# KiCad board MTMatrixV3.kicad_pcb (continued)
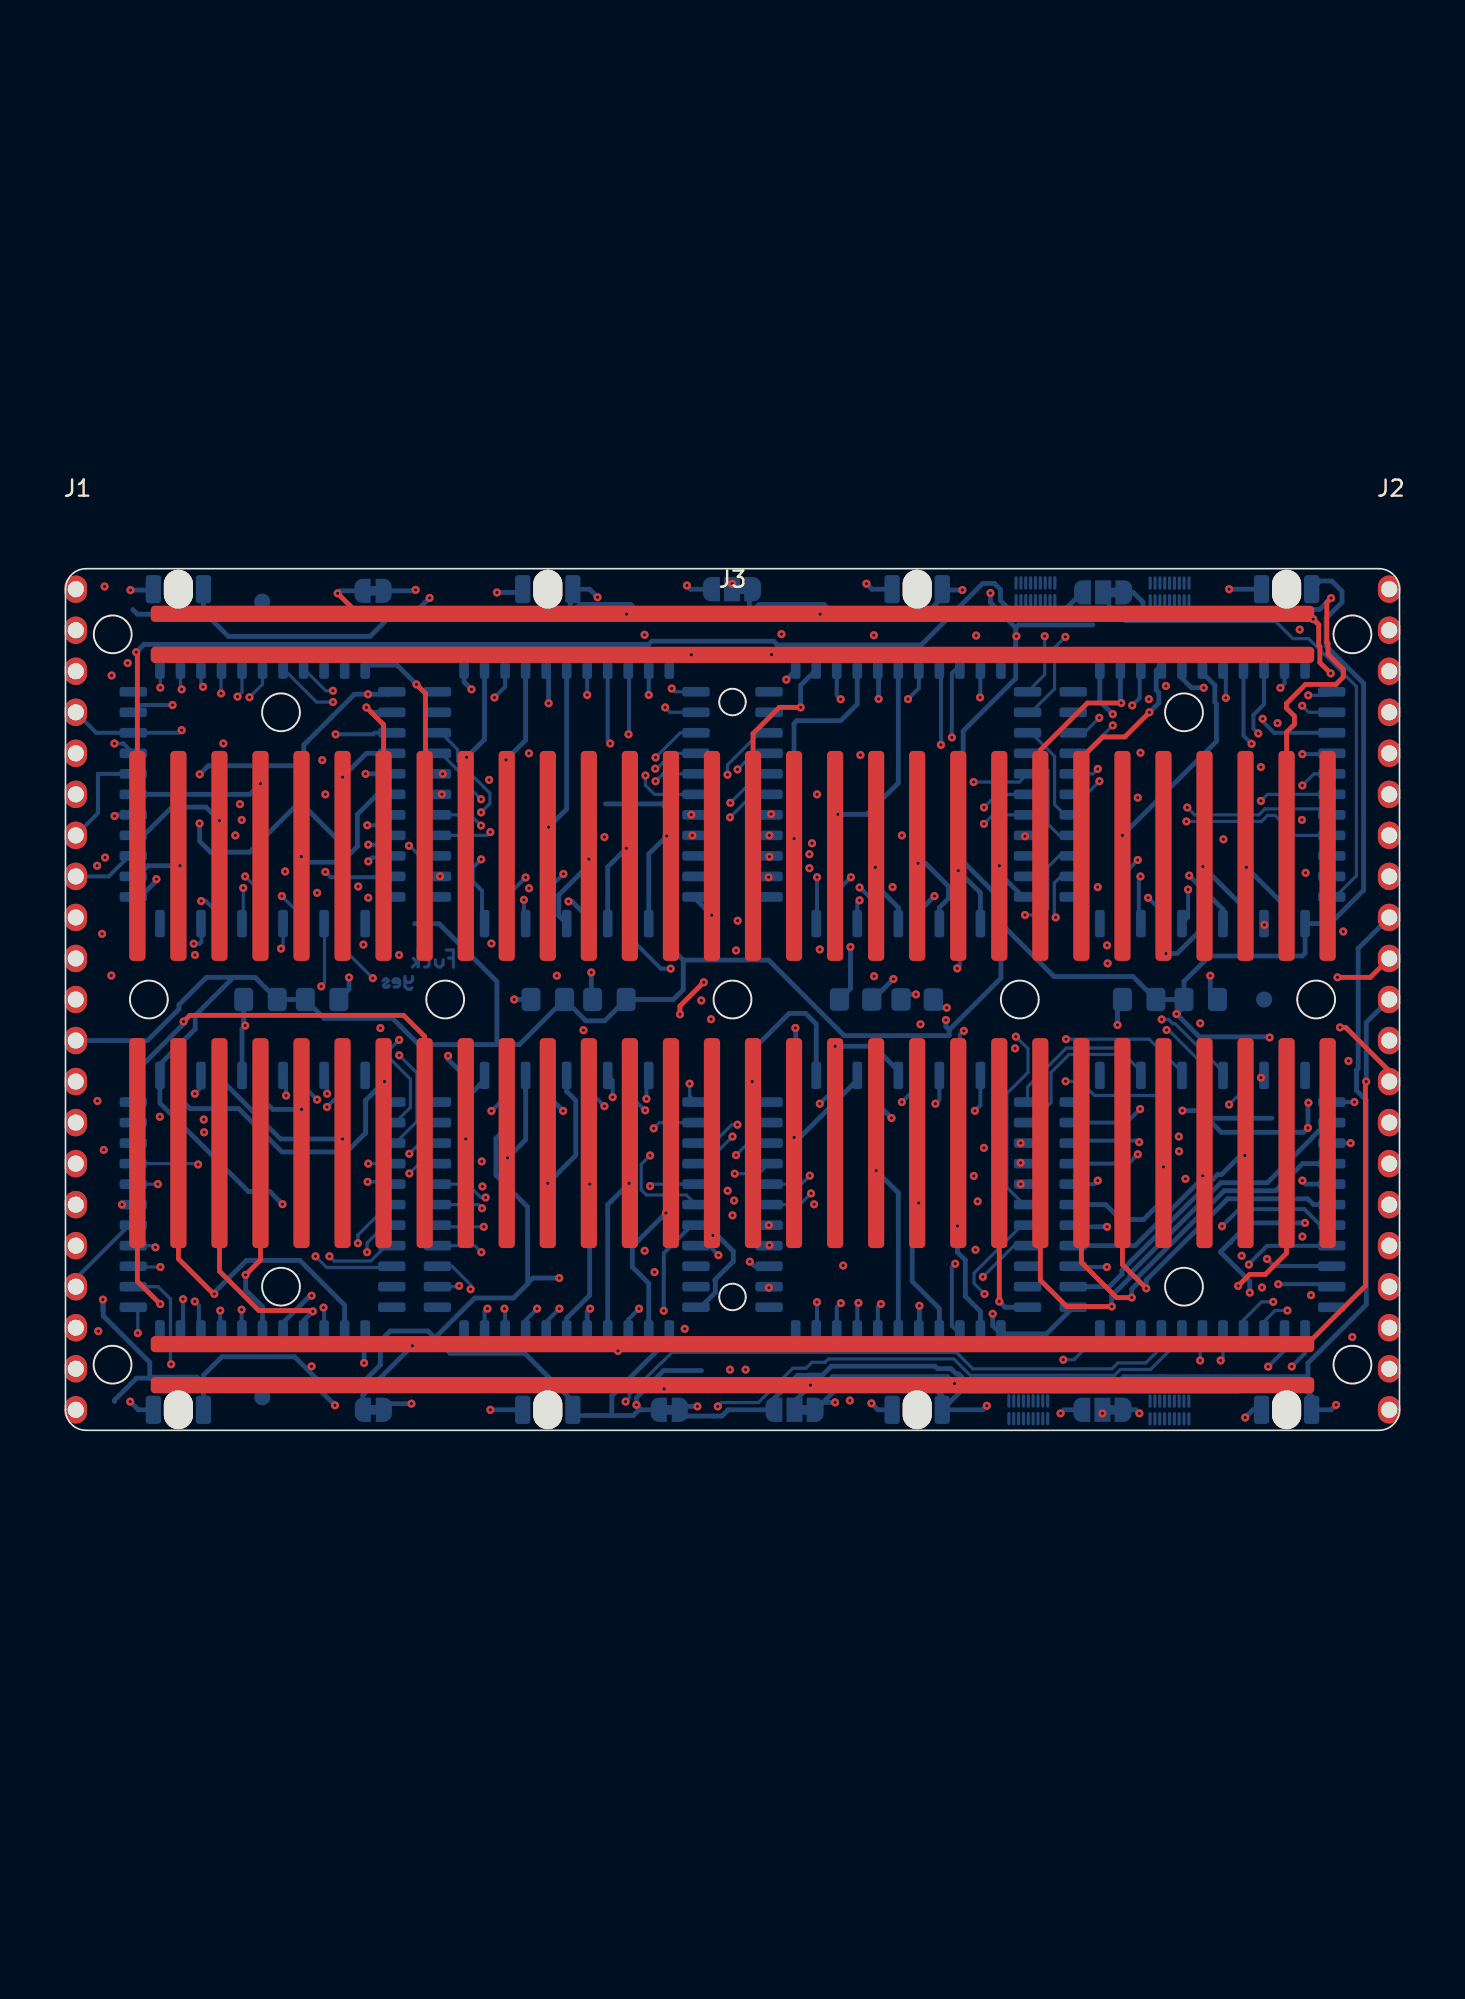
[diagram p0: board, top side]
## Routing (per net, layer and track width the routed paths; a pad name or vN(x,y) marks a point on that pad's centre or on a via; arc(x,y) is an arc through that point) (continued)
AY0: length 215.8
  In1.Cu w0.25: 48.49,41.91 49.09,41.91 v1(49.19,41.81) ; 48.49,41.91 48.53,41.87 53.93,41.87 53.94,41.86 54.41,41.86 54.42,41.87 66.45,41.87 v1(66.52,41.95) ; 48.49,41.91 48.36,42.04 39.5,42.04 39.31,42.23 36.28,42.23 35.96,41.91 v1(28.68,41.91) 27.7,40.93 24.73,40.93 24.3,41.36 1.19,41.36 J1.5 ; v1(18.74,35.22) 21.44,35.22 22.96,33.71 23.56,33.71 24.08,34.22 v1(28.47,34.22)
  In2.Cu w0.25: v1(15.89,41.49) 15.5,41.1 15.5,34.28 16.4,33.38 16.4,21.05 v1(16.19,20.84) ; v1(66.52,41.95) 66.91,41.56 66.91,39.4 66.93,39.38 66.93,34.7 v1(66.52,34.29) 66.22,33.99 66.22,20.87 66.63,20.46 66.74,20.46 67.08,20.12 67.08,19.59 67.08,19.59 67.08,19.58 67.07,19.57 67.07,19.55 67.03,19.51 67.03,19.46 67.02,19.45 67.02,18.41 v1(66.44,17.84) ; v1(49.19,41.81) 49.19,34.93 48.57,34.31 48.57,34.31 ; v1(47.98,7.87) 48.7,8.59 48.7,28.6 49.6,29.5 49.6,30.4 48.57,31.43 48.57,34.31 ; v1(28.68,41.91) 28.68,34.77 27.2,33.3 27.2,26.87 27.19,26.86 27.19,17.51 26.78,17.1 26.78,16.37 27.14,16.02 27.14,7.55 v1(27.16,7.53) ; 48.57,34.31 48.57,34.28 v1(48.6,34.24)
  Bottom w0.25: v1(27.16,7.53) 27.2,7.49 F.26 ; D.26 66.42,31.5 66.42,34.19 v1(66.52,34.29) ; v1(18.74,35.22) 18.97,35.46 20.09,35.46 A.26 ; E.26 16.19,21.78 v1(16.19,20.84) ; B.26 27.2,32.95 v1(28.47,34.22) ; v1(48.6,34.24) 47.73,33.36 C.26 ; v1(47.98,7.87) 47.73,7.62 G.26 ; v1(66.44,17.84) 66.35,17.93 62.51,17.93 H.26
AY1: length 201
  In1.Cu w0.25: 26.33,39.68 26.22,39.8 v1(26.22,40.27) ; 26.33,39.68 26.07,39.94 17.47,39.94 16.89,39.37 v1(16.08,39.37) J1.6 ; 26.33,39.68 26.41,39.6 38.22,39.6 38.29,39.67 39.25,39.67 39.32,39.6 46.27,39.6 v1(46.51,39.37) 46.72,39.16 66.35,39.16 v1(66.35,39.17)
  In2.Cu w0.25: v1(26.11,7.53) 26.57,7.99 26.57,15.95 26.33,16.19 26.33,17.14 25.89,17.58 25.89,19.42 25.78,19.53 25.78,25.42 25.98,25.62 25.98,27.72 25.21,28.49 25.21,34.83 v1(25.72,35.35) 25.72,35.55 26.86,36.69 26.86,39.62 v1(26.22,40.27) ; v1(66.5,19.89) 66.5,19.91 65.67,20.74 65.67,34.63 v1(66.35,35.31) v1(66.35,39.17) ; v1(46.5,7.93) 46.5,9.25 47.14,9.88 47.14,18.92 46.1,19.96 46.1,23.63 46.54,24.07 46.54,29.1 46.1,29.53 46.1,32.98 46.51,33.39 v1(46.51,34.24) 46.77,34.5 46.77,36.53 46.72,36.58 46.72,39.16 v1(46.51,39.37) ; v1(16.18,20.02) 16.97,20.8 16.97,28.27 17.04,28.35 17.04,33.61 v1(16.08,34.57) v1(16.08,39.37)
  Bottom w0.25: v1(26.11,7.53) 25.93,7.35 F.27 ; H.27 65.66,19.05 v1(66.5,19.89) ; G.27 46.5,6.02 v1(46.5,7.93) ; B.27 25.78,31.53 25.78,33.4 25.21,33.97 25.21,34.83 v1(25.72,35.35) ; A.27 20.14,34.24 16.41,34.24 v1(16.08,34.57) ; v1(66.35,35.31) 65.28,34.23 65.28,31.37 ; v1(16.18,20.02) 17.27,21.11 E.27 ; C.27 46.51,31.42 v1(46.51,34.24)
AY2: length 215.5
  In1.Cu w0.25: 53.77,36.83 v1(51.76,36.83) ; 53.77,36.83 53.18,37.42 41.36,37.42 41.3,37.36 39.06,37.36 39.02,37.4 34.03,37.4 33.45,36.83 ; 53.77,36.83 58.61,36.83 59.19,37.4 68.84,37.4 69.66,36.59 v1(71.65,36.59) ; J1.7 25.53,36.83 26,36.36 29.35,36.36 29.61,36.1 30.08,36.1 30.81,36.83 33.45,36.83 ; 33.45,36.83 v1(33.35,36.73)
  In2.Cu w0.25: v1(10.9,7.47) 10.55,7.82 10.55,26.87 10.55,28.13 10.14,28.54 10.14,36.47 v1(10.51,36.83) ; v1(32.28,45.52) 32.28,37.8 v1(33.35,36.73) 33.28,36.66 33.28,20.13 v1(33.35,20.07) ; v1(52.14,45.27) 51.76,44.89 v1(51.76,36.83) 51.76,28.43 52.01,28.18 52.01,27.65 51.72,27.37 51.72,20.35 v1(51.76,20.32) ; v1(71.57,12.63) 71.43,12.77 71.43,22.84 71.29,22.98 71.29,25.65 71.33,25.69 71.33,25.84 71.58,26.09 71.58,36.51 v1(71.65,36.59) 71.65,42.44 71.8,42.59 v1(71.8,45.34)
  Bottom w0.25: A.2 2.01,40.64 2.01,38.2 J1.7 ; v1(71.57,12.63) 72.63,13.69 76.67,13.69 77.66,12.7 H.2 ; D.2 71.8,47.2 v1(71.8,45.34) ; C.2 52.81,45.94 v1(52.14,45.27) ; v1(33.35,20.07) 32.28,21.13 F.2 ; G.2 52.81,21.37 v1(51.76,20.32) ; v1(10.9,7.47) 10.9,6 E.2 ; B.2 v1(32.28,45.52)
BI: length 54.5
  In1.Cu w0.25: v1(25.8,15.1) 24.86,14.16 16.51,14.16 15.97,14.69 13.31,14.69 13.17,14.56 2.59,14.56 J1.15
  In2.Cu w0.25: v1(23.34,40.64) 22.25,39.55 22.25,35.79 22.15,35.69 22.15,18.74 v1(25.8,15.1)
  Bottom w0.25: B.35 v1(23.34,40.64)
BJ: length 82.5
  In1.Cu w0.25: v1(25.76,16.65) 26.51,16.65 27.22,15.94 27.7,15.94 28.13,16.37 36.36,16.37 36.45,16.46 49.59,16.46 49.78,16.65 56.28,16.65 56.94,15.99 59.34,15.99 59.83,16.47 67.3,16.47 67.71,16.88 68.18,16.88 68.67,16.39 81.8,16.39 J2.15
  In2.Cu w0.25: v1(23.29,39.37) 23.29,35.58 22.6,34.89 22.6,30.46 25.48,27.58 25.48,25.91 25.17,25.6 25.17,19.51 25.44,19.24 25.44,16.96 v1(25.76,16.65)
  Bottom w0.25: B.34 v1(23.29,39.37)
Bottom_LEDs: length 31.4
  In1.Cu w0.3: v1(54.53,26.16) 55.8,26.16 58.4,28.76 61.44,28.76 63.37,26.83 68.26,26.83 68.3,26.87 74.1,26.87 76.84,24.13 J2.12
  Bottom w0.3: R2.1 54.21,26.16 v1(54.53,26.16)
CI: length 67.8
  In1.Cu w0.25: J1.16 1.46,13.14 25.61,13.14 25.64,13.17 25.86,13.17 25.86,13.18 36.02,13.18 36.47,12.74 39.34,12.74 39.91,13.31 v1(41.27,13.31)
  In2.Cu w0.25: v1(41.27,13.31) 43.09,15.12 43.09,26.33 43.26,26.5 43.26,27.58 42.78,28.05 42.78,37.27 v1(43.66,38.15)
  Bottom w0.25: C.33 43.59,38.15 v1(43.66,38.15)
CJ: length 60.8
  In1.Cu w0.25: J2.16 59.41,13.97 58.5,14.88 47.22,14.88 v1(46.33,13.99)
  In2.Cu w0.25: v1(46.33,13.99) 46,13.99 44.41,15.58 44.41,18.68 44.59,18.86 44.59,28.57 44.34,28.82 44.34,33.69 44.48,33.84 44.48,35.91 v1(43.56,36.83)
  Bottom w0.25: C.32 v1(43.56,36.83)
CS_A: length 96.4
  In1.Cu w0.3: v1(3.85,47.5) 14.7,47.5 14.79,47.41 39.19,47.41 39.53,47.75 42.91,47.75 43.24,47.42 43.94,47.42 44.2,47.68 75.52,47.68 79.45,51.61 81.45,51.61 J2.1
  In2.Cu w0.3: v1(3.85,47.5) 3.85,38.04 5.62,36.26 v1(5.62,34.12)
  Bottom w0.3: v1(5.62,34.12) 5.62,34.02 4.62,33.02 A.40
CS_B: length 61.5
  In1.Cu w0.3: J2.2 81.92,48.85 79.33,46.26 78.05,46.26 77.13,47.18 44.41,47.18 44.1,46.87 43.08,46.87 42.71,47.25 39.83,47.25 39.45,46.86 26.11,46.86 v1(25.12,45.87)
  Bottom w0.3: B.40 24.66,46.33 v1(25.12,45.87)
CS_C: length 39.4
  In1.Cu w0.3: J2.3 80.69,45.76 77.84,45.76 76.92,46.68 44.81,46.68 v1(44.6,46.47)
  Bottom w0.3: C.40 45.19,47.05 v1(44.6,46.47)
CS_D: length 22.7
  In1.Cu w0.3: v1(64.81,44.34) 64.91,44.23 66.45,44.23 66.83,43.85 66.92,43.85 68.26,42.51 70.05,42.51 71.22,43.68 71.22,44.32 71.54,44.65 75.61,44.65 76.01,44.25 81.72,44.25 J2.4
  Bottom w0.3: v1(64.81,44.34) 64.01,45.13 D.40
CS_E: length 102.9
  In1.Cu w0.3: v1(79.63,5.78) 73.96,5.78 71.91,3.72 69.75,3.72 68.5,4.97 61.5,4.97 60.89,4.35 34.48,4.35 34.38,4.25 18.56,4.25 v1(18.48,4.17)
  In2.Cu w0.3: J2.5 79.92,39.91 79.92,24.24 78.79,23.11 78.79,22.62 79.16,22.25 79.16,19.99 80.15,19.01 80.15,6.29 v1(79.63,5.78)
  Bottom w0.3: v1(18.48,4.17) 18.48,5.9 E.40
CS_F: length 75.1
  In1.Cu w0.3: v1(23.67,23.18) 24.1,22.76 79.29,22.76 v1(79.39,22.87)
  In2.Cu w0.3: v1(79.39,22.87) 80.42,23.89 80.42,37.87 J2.6
  Bottom w0.3: v1(23.67,23.18) 23.67,22.96 F.40
CS_G: length 52
  In1.Cu w0.3: v1(46.19,36.34) 46.2,36.34 47.12,35.43 48.41,35.43 48.88,35.91 80.99,35.91 J2.7
  In2.Cu w0.3: v1(46.19,36.34) 45.87,36.34 44.96,35.43 44.96,33.64 44.82,33.5 44.82,29.02 45.16,28.67 v1(45.16,24.91)
  Bottom w0.3: v1(45.16,24.91) 45.19,24.88 G.40
CS_H: length 16.3
  In2.Cu w0.25: J2.8 80.89,33.27 80.89,22.8 79.76,21.67 v1(79.76,20.32)
  Bottom w0.25: H.40 v1(79.76,20.32)
DATA: length 215.3
  In1.Cu w0.25: v1(18.43,30.07) 18.06,30.44 18.06,30.94 ; 64.64,30.94 64.64,30.21 v1(64.46,30.02) ; 64.64,30.94 43.87,30.94 ; 64.64,30.94 65.62,31.92 78.03,31.92 v1(79.07,30.88) ; v1(26.36,30.14) 26.54,30.32 26.54,30.94 ; 43.87,30.94 45.51,30.94 v1(46.68,29.77) ; 43.87,30.94 43.84,30.92 26.56,30.92 26.54,30.94 ; 26.54,30.94 18.06,30.94 ; J1.8 3.99,30.94 18.06,30.94
  In2.Cu w0.25: v1(15.97,7.6) 17.52,9.15 17.52,11.86 18.09,12.43 18.09,16.68 18.43,17.02 v1(18.43,30.07) ; v1(66.01,44.88) 66.01,43.94 64.56,42.48 64.56,30.12 v1(64.46,30.02) ; v1(79.53,17.78) 78.69,18.62 78.69,22.05 78.32,22.42 78.32,23.58 79.44,24.7 79.44,30.51 v1(79.07,30.88) ; v1(26.54,45.36) 27.83,44.08 27.83,37.02 26.74,35.93 26.74,30.52 v1(26.36,30.14) 26.43,30.07 26.43,19.84 v1(26.36,19.77) ; v1(46.68,20.22) 46.99,20.53 46.99,29.46 v1(46.68,29.77) 47.54,28.91 48.37,28.91 49.15,29.68 49.15,30.21 47.85,31.51 47.85,35.54 48.55,36.24 48.55,44.68 v1(47.97,45.26)
  Bottom w0.25: F.42 27.2,20.62 v1(26.36,19.77) ; D.42 66.47,47.29 66.47,45.33 v1(66.01,44.88) ; C.42 47.73,45.5 v1(47.97,45.26) ; G.42 47.73,21.27 v1(46.68,20.22) ; v1(79.53,17.78) H.42 ; B.42 27.2,46.02 v1(26.54,45.36) ; J1.8 2.67,34.29 3.94,35.56 A.42 ; v1(15.97,7.6) 16,7.56 E.42
DI: length 113.1
  In1.Cu w0.25: v1(72.79,10.8) 71.59,12 56.85,12 56.8,12.06 56.33,12.06 56.31,12.03 43.26,12.03 42.72,11.49 36.51,11.49 35.94,12.06 26.49,12.06 26.45,12.02 25.64,12.02 25.49,12.17 1.38,12.17 J1.17
  In2.Cu w0.25: v1(74.08,44.05) 73.91,44.05 72.23,42.37 72.23,35.45 72.03,35.25 72.03,25.9 71.78,25.66 71.78,25.51 71.74,25.47 71.74,24.74 71.74,23.17 72.03,22.88 72.03,21.78 72.55,21.25 72.55,21.24 72.59,21.21 72.59,17.43 72.41,17.25 72.41,11.18 v1(72.79,10.8)
  Bottom w0.25: v1(74.08,44.05) 74.08,43.89 74.79,43.18 D.9
DJ: length 39.6
  In1.Cu w0.25: v1(76.54,11.99) 77.1,11.43 J2.17
  In2.Cu w0.25: v1(76.54,11.99) 75.62,12.91 75.62,22.42 74.3,23.74 74.28,23.74 73.94,24.08 73.94,24.56 74.23,24.84 74.23,29.23 75.71,30.71 75.71,34.23 75.54,34.4 75.54,40.86 v1(76.54,41.86)
  Bottom w0.25: D.10 78.31,41.86 v1(76.54,41.86)
EI: length 5.4
  Bottom w0.25: J1.18 0.63,9.39 3.94,12.7 E.11
EJ: length 91.2
  In1.Cu w0.25: J2.18 79.86,6.84 70.51,6.84 70.36,6.69 60.79,6.69 60.17,6.08 39.16,6.08 38.89,6.35 38.89,6.52 38.56,6.86 37.5,6.86 37.15,6.51 22.13,6.51 22.03,6.61 20.89,6.61 20.62,6.33 4.97,6.33 4.71,6.59 2.49,6.59 v1(2.03,6.14)
  In2.Cu w0.25: v1(3.5,13.97) 3.5,7.6 v1(2.03,6.14)
  Bottom w0.25: v1(3.5,13.97) E.12
FI: length 43.4
  In1.Cu w0.25: v1(37.02,7.4) 36.57,6.96 25.54,6.96 25.44,7.06 20.71,7.06 20.44,6.78 5.16,6.78 4.9,7.04 1.33,7.04 J1.19
  Bottom w0.25: F.13 38.76,12.7 37.02,10.96 37.02,9.66 37.02,9.66 v1(37.02,7.4)
FJ: length 51.2
  In1.Cu w0.25: J2.19 71.42,6.35 71.31,6.24 60.97,6.24 60.36,5.63 38.97,5.63 v1(38.32,6.28)
  In2.Cu w0.25: v1(38.32,6.28) 38.32,8.75 v1(40.4,10.84)
  Bottom w0.25: v1(40.4,10.84) 39.81,11.43 F.14
GI: length 52
  In1.Cu w0.25: J1.20 0.63,3.45 1.74,2.34 3.89,2.34 4.99,3.44 13.25,3.44 14.8,4.98 16.85,4.98 18.24,3.6 28.17,3.6 28.34,3.77 32.79,3.77 32.96,3.6 34.16,3.6 34.32,3.76 v1(41.12,3.76)
  In2.Cu w0.25: v1(41.12,3.76) 42.74,5.37 42.74,10.05 v1(42.34,10.44)
  Bottom w0.25: G.31 42.62,10.16 v1(42.34,10.44)
GJ: length 48.1
  In1.Cu w0.25: v1(42.09,3.76) 42.15,3.82 54.7,3.82 55.05,3.46 55.25,3.46 55.49,3.23 58.96,3.23 58.98,3.25 74.55,3.25 75.31,4.01 75.31,4.19 75.65,4.52 76.32,4.52 78.56,2.29 80.39,2.29 J2.20
  In2.Cu w0.25: v1(43.52,8.83) 43.65,8.7 43.65,5.32 v1(42.09,3.76)
  Bottom w0.25: G.30 43.54,8.84 v1(43.52,8.83)
HI: length 80.9
  In1.Cu w0.25: J1.21 0.7,1.2 4.24,1.2 6.03,2.99 13.44,2.99 14.99,4.53 16.66,4.53 18.05,3.15 28.91,3.15 29.07,3.31 31.11,3.31 31.27,3.15 34.32,3.15 34.33,3.16 45.25,3.16 45.46,3.37 46.34,3.37 46.86,2.85 54.01,2.85 54.56,2.3 58.66,2.3 59.17,2.8 74.73,2.8 v1(75.89,3.95)
  Bottom w0.25: H.7 76.71,4.77 v1(75.89,3.95)
HJ: length 11.3
  In2.Cu w0.25: v1(74.43,3.94) 75.08,3.94 78.03,1 81.64,1 J2.21
  Bottom w0.25: v1(74.43,3.94) 75.44,4.95 H.8
Neg_Bottom: length 29.5
  Top w0.3: v1(37.04,2.56) 37.28,2.79 J3.32 v1(46.1,2.79)
  In1.Cu w0.3: v1(46.1,2.79) 45.89,2.58 37.06,2.58 v1(37.04,2.56)
  Bottom w0.3: v1(55.02,2.89) 54.59,3.32 47.45,3.32 46.93,2.79 v1(46.1,2.79) 45.11,1.81 JP6.2
Neg_Top: length 16.1
  Top w0.3: v1(38.73,48.01) 38.73,48.01 J3.0 41.29,48.02 v1(43.7,48.02)
  In2.Cu w0.3: v1(43.7,48.02) 43.7,49.96 v1(41.26,52.4) 41.26,52.26 38.73,49.73 v1(38.73,48.01)
  Bottom w0.3: JP4.2 41.24,52.39 v1(41.26,52.4)
Pos_Bottom: length 104.2
  Top w0.3: v1(34.19,4.92) 34.6,5.33 J3.63 ; v1(80.49,21.59) 80.44,21.54 80.44,8.94 76.83,5.33 J3.63 ; v1(21.46,5.23) 41.17,5.23 J3.63
  In1.Cu w0.3: v1(21.46,5.23) 33.87,5.23 v1(34.19,4.92)
  Bottom w0.3: v1(21.46,5.23) 18.4,2.17 JP2.2 ; v1(80.49,21.59) 80.49,25.25 J2.11
Pos_Top: length 138.9
  Top w0.3: J3.31 41.25,50.52 18.14,50.52 v1(16.84,51.82) ; J3.31 41.26,50.53 v1(34.73,50.53) ; J3.31 46.67,50.55 v1(46.7,50.52) 76.91,50.52 77.55,49.88 ; v1(78.71,28.04) 80.75,28.04 J2.10 ; 77.55,49.88 77.55,48.57 77.62,48.5 77.62,47.53 v1(78.29,46.86) ; 77.55,49.88 v1(77.21,50.22)
  In1.Cu w0.3: v1(77.21,50.22) 77.16,50.17 62.87,50.17 62.87,50.18 62.52,50.52 34.73,50.52 v1(34.73,50.53)
  In2.Cu w0.3: v1(78.71,28.04) 78.36,28.4 78.36,46.8 v1(78.29,46.86)
  Bottom w0.3: JP1.2 16.99,51.97 v1(16.84,51.82)
RESET: length 224.8
  In1.Cu w0.25: v1(3.02,42.52) v1(9.77,42.52) 10.18,42.52 10.64,42.06 17.14,42.06 17.6,42.52 v1(33.71,42.52) 33.72,42.51 35.92,42.51 36.09,42.68 39.49,42.68 39.69,42.49 54.12,42.49 v1(54.18,42.43) 54.29,42.32 55.09,42.32 55.29,42.52 66.94,42.52 67.88,41.59 72.48,41.59 v1(73.4,42.5)
  In2.Cu w0.25: v1(73.23,10.26) 73.38,10.41 73.38,11.01 73.57,11.21 73.57,20.86 73,21.43 73,21.44 72.48,21.96 72.48,23.07 72.19,23.36 72.19,25.28 72.23,25.32 72.23,25.47 72.48,25.72 72.48,35.06 73.4,35.98 v1(73.4,42.5) ; v1(9.77,42.52) 10.1,42.19 10.1,37.51 9.69,37.1 9.69,28.35 10.1,27.95 10.1,26.74 10.1,7.94 v1(9.58,7.42) ; J1.9 3.02,34.14 3.02,37.23 2.46,37.79 2.46,38.27 3.02,38.83 v1(3.02,42.52) ; v1(33.71,42.52) 33.71,37.29 34.01,36.98 34.01,20.78 v1(33.86,20.62) ; v1(53.83,20.22) 53.91,20.29 53.91,28.77 54.4,29.26 54.4,34.05 54.18,34.27 v1(54.18,42.43)
  Bottom w0.25: 72.9,47.37 72.9,43 v1(73.4,42.5) ; v1(3.02,42.52) 3.58,42.52 A.3 ; E.3 9.58,6.05 v1(9.58,7.42) ; F.3 33.86,21.67 v1(33.86,20.62) ; C.3 54.18,47.27 54.18,42.44 v1(54.18,42.43) ; G.3 54.08,20.46 v1(53.83,20.22) ; H.3 78.35,11.42 74.35,11.42 73.23,10.3 v1(73.23,10.26) ; B.3 33.55,42.67 v1(33.71,42.52)
STROBE: length 175.3
  In1.Cu w0.25: 8.51,29.21 17.04,29.21 17.16,29.09 19.1,29.09 19.37,29.37 25.33,29.37 25.61,29.09 36.3,29.09 36.81,28.58 v1(37.45,28.58) 37.89,29.03 55.98,29.03 56.16,29.21 ; 8.51,29.21 J1.10 ; 8.51,29.21 8.23,29.21 v1(8.01,29.43) ; v1(74.19,31.29) 71.84,28.94 64.86,28.94 64.59,29.21 ; 56.16,29.21 57.18,30.23 62.1,30.23 62.91,29.42 64.38,29.42 64.59,29.21 ; 56.16,29.21 55.55,28.6 v1(55.18,28.6) ; v1(64.44,10.11) 64.08,10.47 56.37,10.47 56.2,10.31 v1(55.06,10.31) ; v1(64.49,28.91) 64.49,29.11 64.59,29.21
  In2.Cu w0.25: v1(16.72,43.09) 17.25,43.09 20.28,40.05 20.28,29.78 v1(20.64,29.42) ; v1(35.49,7.53) 36.65,8.69 36.7,8.69 37.07,9.06 37.07,9.06 38.39,10.37 38.39,13.59 37.55,14.43 37.55,21.04 37.45,21.14 37.45,28.58 v1(37.45,28.58) ; v1(64.44,10.11) 64.44,11.65 63.88,12.21 63.88,12.84 64.49,13.45 v1(64.49,28.91) ; v1(8.01,29.43) 8.01,28.2 8.8,27.41 8.8,21.64 v1(8,20.84)
  Bottom w0.25: G.20 54.85,6.47 54.85,10.1 v1(55.06,10.31) ; v1(35.49,7.53) 34.82,6.86 F.20 ; v1(74.19,31.29) 74.17,31.32 D.20 ; B.20 34.82,30.6 36.84,28.58 v1(37.45,28.58) ; v1(64.44,10.11) 62.41,10.11 H.20 ; v1(16.72,43.09) 19.03,43.09 19.13,43.18 A.20 ; E.20 8.38,21.22 v1(8,20.84) ; v1(55.18,28.6) 55.35,28.76 C.20
Top_LEDs: length 37.3
  Top w0.3: J2.13 81.92,22.25 79.22,24.94 v1(78.87,24.94)
  In1.Cu w0.3: v1(78.87,24.94) 76.73,24.94 74.31,27.37 68.09,27.37 68.08,27.36 63.6,27.36 61.7,29.26 58.19,29.26 56.06,27.13 54.64,27.13 53.82,27.94 v1(51.23,27.94)
  Bottom w0.3: v1(51.23,27.94) 49.96,26.67 R1.1
Net-(C1-Pad2): length 33.6
  In2.Cu w0.3: v1(21.67,52.03) 21.77,52.13 24.3,52.13 31.72,44.71 31.72,29.16 v1(32.54,28.35)
  Bottom w0.3: v1(21.67,52.03) 21.61,51.97 JP1.1 ; C1.2 32.54,26.75 v1(32.54,28.35)
Net-(C2-Pad2): length 33
  In2.Cu w0.3: v1(21.4,1.65) 23.87,4.11 27.56,4.11 28.07,4.62 28.07,26.37 v1(27.76,26.67)
  Bottom w0.3: JP2.1 20.08,1.65 v1(21.4,1.65) ; C2.2 v1(27.76,26.67)
Net-(D1-Pad2): length 109.3
  In2.Cu w0.3: v1(4.02,52.01) 5.89,50.14 7.49,50.14 9.98,52.63 24.51,52.63 26.62,50.52 26.98,50.52 ; 49.53,50.52 70.46,50.52 v1(72.01,52.07) ; 49.53,50.52 49.53,52.37 v1(49.56,52.41) ; 49.53,50.52 47.2,48.19 47.2,36.76 47.25,36.71 47.25,31.25 v1(48.57,29.92) ; 49.53,50.52 47.05,53 32.84,53 30.36,50.52 26.98,50.52 ; 26.98,50.52 26.98,51.59 v1(26.7,51.87)
  Bottom w0.3: D1.2 v1(72.01,52.07) ; D4.2 5.38,52.01 v1(4.02,52.01) ; v1(48.57,29.92) 48.57,27.35 R1.2 ; D3.2 28.09,51.87 v1(26.7,51.87) ; v1(49.56,52.41) 49.9,52.07 D2.2
Net-(D5-Pad2): length 110.8
  In1.Cu w0.3: v1(48.54,1.84) 49.7,1.84 v1(49.87,1.67)
  In2.Cu w0.3: v1(52.63,26.99) 52.25,26.61 52.25,24.38 52.7,23.93 52.7,19.91 52.2,19.41 52.2,5.56 48.54,1.9 v1(48.54,1.84) ; v1(73.01,0.79) 72.64,0.42 55.69,0.42 53.06,3.05 51.25,3.05 v1(49.87,1.67) 49.87,1.62 48.63,0.37 33.53,0.37 31.09,2.82 27.84,2.82 v1(26.29,1.27) 25.45,0.43 9.89,0.43 7.5,2.82 5.05,2.82 v1(4,1.78)
  Bottom w0.3: v1(26.29,1.27) D7.2 ; v1(4,1.78) 4.51,1.27 D8.2 ; D5.2 73.48,1.27 v1(73.01,0.79) ; v1(49.87,1.67) 50.27,1.27 D6.2 ; R2.2 52.02,26.99 v1(52.63,26.99)

## Copper pours and planes (outline as drawn; the poured copper is in the pictures)
GND on Bottom, In1.Cu, In2.Cu: 84.52,55.4 84.3,-3.4 -1.95,-2.69 -1.64,55.4 -2.23,55.61

## Text on the board
B.Silkscreen: < | > | Unconnected Rows | Top Neg Adj | GND | ADJ | Top Rail Bypass Cap | Btm Rail Bypass Cap | Adj Neg Supply | Btm Neg
